# Altium PCB SDR_wt_PCBlib.PcbDoc (part 1 of 2) (continued)
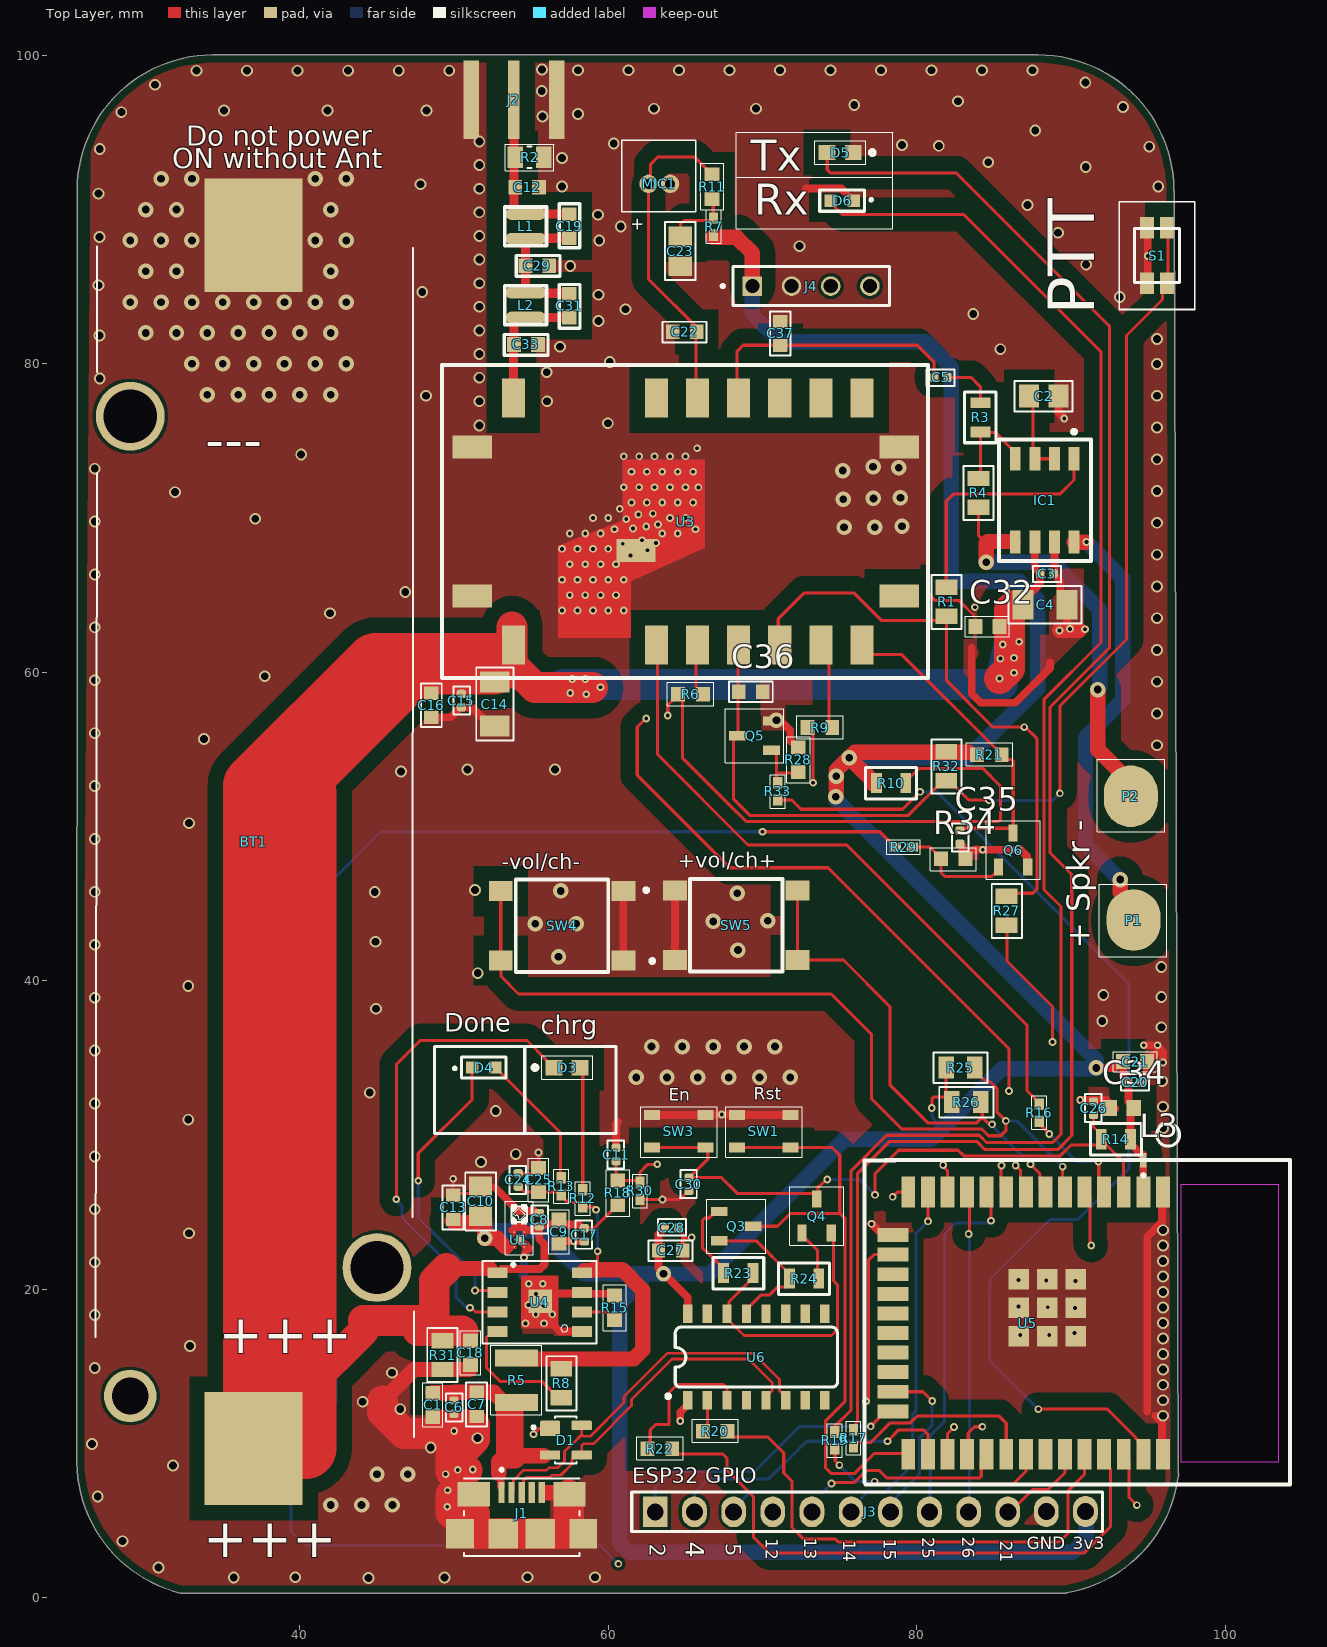
[diagram p0: Top Layer view]
## Footprints (in the part's own frame and the unit in brackets; to place one, negate y for a bottom-side part, rotate by r counter-clockwise, add the part's x,y. Pads: shape width x height; smd on the part's side, far side on the other; paste and mask are expansions set on the pad)
0.35X1.5X4T [mm]
  oval 0.75x2.6 smd: 1(0.452,1.353) 2(2.052,1.353)
  silkscreen extent 0,0 2.5,2.7
"1NF CAP" [mm]
  rect 0.87x0.93 smd: 1(-0.78,-0.025) 2(0.78,-0.025)
  silkscreen extent -1.42,-0.69 1.42,0.66, body extent -0.8,-0.48 0.8,0.42, height 0.81
"1nF CAP" [mm]
  rect 0.87x0.93 smd: 1(-0.78,-0.025) 2(0.78,-0.025)
  silkscreen extent -1.42,-0.69 1.42,0.66, body extent -0.8,-0.48 0.8,0.42, height 0.81
"2U2 CAP 0805" [mm]
  rect 1.3x1.5 smd: 1(-0.95,0) 2(0.95,0)
  silkscreen extent -1.91,-0.99 1.85,0.99, body extent -1,-0.73 1,0.73, height 1.26
"2u2 cap 0805" [mm]
  rect 1.3x1.5 smd: 1(-0.95,0) 2(0.95,0)
  silkscreen extent -1.91,-0.99 1.85,0.99, body extent -1,-0.73 1,0.73, height 1.26
220UF_3V3 [mm]
  rect 1.37x1.91 smd: 1(-1.421,0) 2(1.421,0)
  silkscreen extent -2.36,-1.19 2.36,1.22, body extent -1.6,-0.8 1.6,0.8, height 1.9
0603 [mm]
  rect 1.1x1 smd: 1(-0.85,0) 2(0.85,0)
  silkscreen extent -2.24,-0.76 1.65,0.76, body extent -0.8,-0.4 0.8,0.4, height 0.81
19217BHCZL1M2RY3T [mil]
  rect 31.5x31.5 smd: 1(29.53,0) 2(-29.53,0)
  silkscreen extent -57,-27 76,27, body extent -31,-16 32,16, height 22
BAT_1042 [mm]
  rect 7.35x6.35 smd: NEG(-39.33,0) POS(39.33,0)
  round 4.466 hole 3.45: P$1(-27.6,-8) P$2(27.6,8)
  round 3.406 hole 2.39: P$3(35.93,-8)
  silkscreen extent -38.61,-10.26 38.58,10.39, body extent -43.23,-10.32 43.23,10.33, height 14.87
CAPC1005X55N [mm]
  rrect53% 0.54x0.6 smd: 1(-0.43,0) 2(0.43,0)
  silkscreen extent -0.9,-0.51 0.91,0.57, body extent -0.5,-0.25 0.5,0.3, height 0.51
CAPC1608X90N#1 [mm]
  rect 0.92x0.97 smd: 1(-0.775,0) 2(0.775,0)
  silkscreen extent -1.42,-0.66 1.42,0.66, body extent -0.8,-0.45 0.8,0.45, height 0.81
CAPC1608X90N#2 [mm]
  rect 0.89x0.93 smd: 1(-0.77,0) 2(0.77,0)
CAPC1608X100N [mm]
  rect 0.94x1.02 smd: 1(-0.79,0) 2(0.79,0)
  body extent -0.8,-0.45 0.8,0.45, height 0.75
"ESP32 FOOT" [mm]
  rect 2x0.9 smd: 1(-8.5,8.755) 2(-8.5,7.485) 3(-8.5,6.215) 4(-8.5,4.945) 5(-8.5,3.675) 6(-8.5,2.405) 7(-8.5,1.135) 8(-8.5,-0.135) 9(-8.5,-1.405) 10(-8.5,-2.675) 11(-8.5,-3.945) 12(-8.5,-5.215) 13(-8.5,-6.485) 14(-8.5,-7.755) 25(8.5,-7.755) 26(8.5,-6.485) 27(8.5,-5.215) 28(8.5,-3.945) 29(8.5,-2.675) 30(8.5,-1.405) 31(8.5,-0.135) 32(8.5,1.135) 33(8.5,2.405) 34(8.5,3.675) 35(8.5,4.945) 36(8.5,6.215) 37(8.5,7.485) 38(8.5,8.755)
  rect 0.9x2 smd: 15(-5.715,-8.755) 16(-4.445,-8.755) 17(-3.175,-8.755) 18(-1.905,-8.755) 19(-0.635,-8.755) 20(0.635,-8.755) 21(1.905,-8.755) 22(3.175,-8.755) 23(4.445,-8.755) 24(5.715,-8.755)
  rect 1.33x1.33 smd: 39_1(-2.835,3.09) 39_2(-1,3.09) 39_3(0.835,3.09) 39_4(-2.835,1.255) 39_5(-1,1.255) 39_6(0.835,1.255) 39_7(-2.835,-0.58) 39_8(-1,-0.58) 39_9(0.835,-0.58)
  Keep-Out Layer region: 9,9.945 -9,9.945 -9,16.245 9,16.245
  Keep-Out Layer region: 9,9.945 -9,9.945 -9,16.245 9,16.245
  silkscreen extent -12.96,-10.59 10.46,16.99, body extent -9.06,-9.3 9.01,16.24, height 3.01
GMI4015P2C42DB [mm]
  round 1.192 hole 0.65: 1(0,0) 2(0,1.4)
  silkscreen extent -2.82,-1.73 1.8,3.07, body extent -2.55,-1.3 1.45,2.7, height 1.95
Header_1x12_fml_2.54mm [mm]
  rect 2x1.6 hole 1.1: 1(0,0)
  oval 2x1.6 hole 1.1: 2(0,-2.54) 3(0,-5.08) 4(0,-7.62) 5(0,-10.16) 6(0,-12.7) 7(0,-15.24) 8(0,-17.78) 9(0,-20.32) 10(0,-22.86) 11(0.004,-25.359) 12(0.016,-27.897)
  silkscreen extent -1.27,-28.99 1.27,1.52
HRS_ZX62-B-5PA(33) [mm]
  rect 0.4x1.35 smd: 1(-1.3,2.675) 2(-0.65,2.675) 3(0,2.675) 4(0.65,2.675) 5(1.3,2.675)
  rect 2.1x1.6 smd: SH1(-3.1,2.55) SH6(3.1,2.55)
  rect 1.8x1.9 smd: SH2(-4,0) SH5(4,0)
  rect 1.9x1.9 smd: SH3(-1.2,0) SH4(1.2,0)
  silkscreen extent -3.75,-1.45 3.75,4.25, body extent -4.04,-2.43 4.04,3.17, height 2.81
INDC0603X33N [mm]
  rect 0.38x0.4 smd: 1(-0.281,0) 2(0.281,0)
  silkscreen extent -1.07,-0.1 -0.87,0.1
LINX_CONSMA013.062-G [mm]
  rect 0.76x5.08 smd: 1(0,2.54)
  rect 1x5.08 smd: S1(-2.77,2.54) S2(2.77,2.54)
  rect 1x5.08 smd far side: S3(-2.77,2.54) S4(2.77,2.54)
  body extent -4.61,-12.37 4.63,5.08, height 4.36
NS8002 [mm]
  rect 1.5x0.7 smd: 1(-2.7,1.905) 2(-2.7,0.635) 3(-2.7,-0.635) 4(-2.7,-1.905) 5(2.7,-1.905) 6(2.7,-0.635) 7(2.7,0.635) 8(2.7,1.905)
  silkscreen extent -4.57,-2.97 3.94,3, body extent -2.96,-2.47 3.04,2.43, height 1.65
PAD_SPKR [mm]
  oval 4x3.5 smd: 1(0,0)
  silkscreen extent -2.39,-2.16 2.31,2.21
PTS645(SMT) [mil]
  rect 61.02x51.18 smd: 1(-156.5,88.58) 2(156.5,88.58) 3(-156.5,-88.58) 4(156.5,-88.58)
  silkscreen extent -235,-118 118,118, body extent -177,-118 177,118, height 169
R0805 [mm]
  rect 0.7x1.3 smd: 1(-0.95,0) 2(0.95,0)
  silkscreen extent -1.65,-1.02 1.65,1.02, body extent -1,-0.6 1,0.6, height 0.71
R0805_47K [mm]
  rect 1x1.42 smd: 1(-0.935,0) 2(0.935,0)
  silkscreen extent -1.75,-0.97 1.75,0.99, body extent -1,-0.62 1,0.62, height 0.66
REG_NCP167BMX330TBG [mm]
  rect 0.1x0.1 smd paste-1 mask+0: 1(-0.48,0.325) 2(-0.48,-0.325) 3(0.48,-0.325) 4(0.48,0.325)
  rect 0.52x0.52 smd rot 135 paste-1 mask+0: 5(0,0)
  Top Layer region: 0.6,-0.455 0.21,-0.455 0.21,-0.345 0.36,-0.195 0.6,-0.195
  Top Layer region: -0.21,-0.345 -0.21,-0.455 -0.6,-0.455 -0.6,-0.195 -0.36,-0.195
  Top Layer region: -0.21,0.345 -0.36,0.195 -0.6,0.195 -0.6,0.455 -0.21,0.455
  Top Layer region: 0.6,0.195 0.36,0.195 0.21,0.345 0.21,0.455 0.6,0.455
  silkscreen extent -1.74,-0.92 2.47,0.9, body extent -0.5,-0.5 0.5,0.5, height 0.44
RESC1005X40N [mm]
  rect 0.75x0.6 smd: 1(-0.55,0) 2(0.55,0)
  silkscreen extent -1.09,-0.48 1.09,0.48, body extent -0.5,-0.25 0.5,0.25, height 0.4
"RESC1608X55N 1K2" [mil]
  rect 35.43x37.4 smd: 1(-31.5,0) 2(31.5,0)
  silkscreen extent -59,-29 59,30, body extent -31,-16 32,16, height 22
RESC2012X65N [mm]
  rect 1x1.42 smd: 1(-0.935,0) 2(0.935,0)
  silkscreen extent -0.12,-0.7 0.12,0.7
RESC3126X65N [mm]
  rect 1.1x2.8 smd: 1(-1.45,0) 2(1.45,0)
  silkscreen extent -2.25,-1.62 2.25,1.68, body extent -1.55,-1.3 1.55,1.3, height 0.65
SAMTEC_SL-104-TT-11 [mm]
  rect 1.264x1.264 hole 0.914: 01(0,0)
  round 1.264 hole 0.914: 02(-2.54,0) 03(-5.08,0) 04(-7.62,0)
  silkscreen extent -8.89,-1.27 2.02,1.27
SKRPABE010 [mm]
  rect 1.05x0.65 smd: P$1(0.5,2.4) P$2(3.965,2.4) P$3(0.5,0.3) P$4(3.965,0.3)
  silkscreen extent -0.25,-0.25 4.7,3.05, body extent -0.06,-0.25 4.54,2.95, height 2.44
SKSCLAE010 [mm]
  rect 1.4x0.9 smd: 1(-1.8,-0.65) 2(1.8,-0.65) 3(-1.8,0.65) 4(1.8,0.65)
  silkscreen extent -3.5,-2.45 3.5,2.45, body extent -2.38,-1.42 2.44,2.13, height 1.5
SO016 [mm]
  rect 0.6x1.2 smd: 1(-4.445,-2.8) 2(-3.175,-2.8) 3(-1.905,-2.8) 4(-0.635,-2.8) 5(0.635,-2.8) 6(1.905,-2.8) 7(3.175,-2.8) 8(4.445,-2.8) 9(4.445,2.8) 10(3.175,2.8) 11(1.905,2.8) 12(0.635,2.8) 13(-0.635,2.8) 14(-1.905,2.8) 15(-3.175,2.8) 16(-4.445,2.8)
  silkscreen extent -5.84,-2.67 5.26,1.95, body extent -4.99,-3.06 4.99,3.18, height 1.58
SOT95P240X115-3N [mm]
  rect 1.1x0.6 smd: 1(-1.1,0.95) 2(-1.1,-0.95) 3(1.1,0)
  silkscreen extent -1.9,-1.75 1.9,1.75, body extent -1.2,-1.45 1.2,1.45, height 1.15
SR_FRS_2WUS [mil]
  rect 100x59.05 smd: 1(1095,-132) 2(1095,-27) 3(1095,78) 4(1095,183) 5(1095,288) 6(1095,393) 7(1095,758) 10(465,758) 11(465,393) 12(465,288) 13(465,183) 14(465,78) 15(465,-27) 16(465,-132)
  rect 59.05x100 smd: 8(970,863) 9(590,863) 17(590,-227) 18(970,-227) 19(706,445)
  rect 60x60 smd far side: 20(728,448)
  Top Layer region: 782.78,479.11 937.78,479.11 937.78,269.11 712.78,269.11 627.78,459.11 482.78,459.11 482.78,644.11 717.78,644.11 782.78,479.11
  Bottom Layer region: 782.78,479.11 937.78,479.11 937.78,269.11 712.78,269.11 627.78,459.11 482.78,459.11 482.78,644.11 717.78,644.11 782.78,479.11
  silkscreen extent 380,-300 1180,940, body extent 435,-257 1125,888, height 122
TP4056 [mm] "USB_charger"
  rect 1.3x0.7 smd: 1(-2.75,1.905) 2(-2.75,0.635) 3(-2.75,-0.635) 4(-2.75,-1.905) 5(2.75,-1.905) 6(2.75,-0.635) 7(2.75,0.635) 8(2.75,1.905)
  rect 1.524x1.524 smd: 9(-0.033,-0.053)
  Top Layer region: 1.2,-1.7 -1.2,-1.7 -1.2,1.7 1.2,1.7
  silkscreen extent -3.68,-2.67 3.71,2.67, body extent -3,-2.45 3,2.45, height 1.75
TVS_SOT143 [mm]
  rrect15% 0.99x1.3 smd: 1(-0.76,-1.025)
  rrect15% 0.59x1.3 smd: 2(0.96,-1.025) 3(0.96,1.025) 4(-0.96,1.025)
  silkscreen extent -1.52,-2.2 1.52,0.7, body extent -1.46,-1.18 1.46,1.19, height 1.23

## Part data
BT1: "RF EMI Absorbing Sheet Q-ZorbÂ® Silicone Rubber Non-Conductive, Single Sided 24.000 _609.60mm_ X 24.000 _609.60mm_ X 0.094 _2.40mm_", Package="0402 Laird Technologies", Availability=Unavailable, MF="Laird Technologies", MP=1042, Price=None, SnapEDA_Link=https://www.snapeda.com/parts/1042/Laird%20Technologies%20EMI/view-part/238870/?ref=snap
C1 C18 C21 C25 C32: "10ÂµF Â±10% 10V Ceramic Capacitor X5R 0603 _1608 Metric_", LCSC Part #=C19702, Package="0603 Samsung", Availability=Unavailable, MF=Samsung, MP=CL10A106KP8NNNC, Price=None, SnapEDA_Link=https://www.snapeda.com/parts/CL10A106KP8NNNC/Samsung/view-part/3598152/?ref=snap
C2 C10 C23: library part GRM21BR71A225KA01L, "SMT 0805 ceramic cap X7R 10V 2.2uF", Package=None, Availability=Unavailable, MP=GRM21BR71A225KA01L, Price=None
C3 C5 C6 C15 C17 C20 C24 C26 C28 C30 C35: "0.1ÂµF Â±10% 16V Ceramic Capacitor X7R 0402 _1005 Metric_", LCSC Part #=C1525, Package="0402 Samsung", Availability=Unavailable, MF="Samsung Electro-Mechanics", MP=CL05B104KO5NNNC, Price=None, SnapEDA_Link=https://www.snapeda.com/parts/CL05B104KO5NNNC/Samsung%20Electro-Mechanics/view-part/3598311/?ref=snap
C4 C14: library part 220uf_6v3, "GRM31CR60J227ME11L", Package="3216 Murata", Check_prices=https://www.snapeda.com/parts/GRM31CR60J227ME11L/Murata%20Electronics%20North%20America/view-part/1756709/?ref=eda, Digi-Key_Part_Number=490-13970-1-ND, MF="Murata Electronics", MP=GRM31CR60J227ME11L, Purchase-URL=https://pricing.snapeda.com/search/part/GRM31CR60J227ME11L/?ref=eda, SnapEDA_Link=https://www.snapeda.com/parts/GRM31CR60J227ME11L/Murata%20Electronics%20North%20America/view-part/1756709/?ref=snap
C7 C13 C16 C22 C27 C36 C37: library part "1nF CAP"
C8 C11: library part 100nf, "0.1ÂµF Â±10% 16V Ceramic Capacitor X7R 0402 _1005 Metric_", LCSC Part #=C1525, Package="0402 Samsung", Availability=Unavailable, MF="Samsung Electro-Mechanics", MP=CL05B104KO5NNNC, Price=None, SnapEDA_Link=https://www.snapeda.com/parts/CL05B104KO5NNNC/Samsung%20Electro-Mechanics/view-part/3598311/?ref=snap
C9: library part 10uf, "10ÂµF Â±10% 10V Ceramic Capacitor X5R 0603 _1608 Metric_", LCSC Part #=C19702, Package="0603 Samsung", Availability=Unavailable, MF=Samsung, MP=CL10A106KP8NNNC, Price=None, SnapEDA_Link=https://www.snapeda.com/parts/CL10A106KP8NNNC/Samsung/view-part/3598152/?ref=snap
C12 C19: library part GCM1885C2A2R0BA16D, "SMD Capacitor C0G(EIA) with Capacitance: 2.0pF Tol. 0.1pF. Rated Voltage: 100Vdc", Package=None, Availability=Unavailable, MP=GCM1885C2A2R0BA16D, Price=None
C29: library part GCM1885C2A6R0BA16D, "SMD Capacitor C0G(EIA) with Capacitance: 6.0pF Tol. 0.1pF. Rated Voltage: 100Vdc", Package=None, Availability=Unavailable, MP=GCM1885C2A6R0BA16D, Price=None
C31: library part GCM1885C2A2R5BA16D, "SMD Capacitor C0G(EIA) with Capacitance: 2.5pF Tol. 0.1pF. Rated Voltage: 100Vdc", Package=None, Availability=Unavailable, MP=GCM1885C2A2R5BA16D, Price=None
C33: library part GCM1885C2A4R0BA16D, "SMD Capacitor C0G(EIA) with Capacitance: 4.0pF Tol. 0.1pF. Rated Voltage: 100Vdc", Package=None, Availability=Unavailable, MP=GCM1885C2A4R0BA16D, Price=None
C34: library part CL10A105KP8NNNC, "1ÂµF Â±10% 10V Ceramic Capacitor X5R 0603 _1608 Metric_", Package="0603 Samsung Electro-Mechanics", Availability=Unavailable, MF="Samsung Electro-Mechanics", MP=CL10A105KP8NNNC, Price=None, SnapEDA_Link=https://www.snapeda.com/parts/CL10A105KP8NNNC/Samsung%20Electro-Mechanics/view-part/2784099/?ref=snap
D1: "8.5V Clamp Ipp Tvs Diode Surface Mount SOT-143-4", Package="SOT-143 Littelfuse", Digi-Key_Part_Number=F2715CT-ND, Digi-Key_Purchase_URL=https://www.digikey.com/product-detail/en/littelfuse-inc/SP0503BAHTG/F2715CT-ND/1154322?utm_source=snapeda&utm_medium=aggregator&utm_campaign=symbol, MF="Littelfuse Inc.", MP=SP0503BAHTG, SnapEDA_Link=https://www.snapeda.com/parts/SP0503BAHTG/Littelfuse%20Inc./view-part/214427/?ref=snap
D3 D5: library part "Red LED", "Red 631nm LED Indication - Discrete 2V 0603 _1608 Metric_", Package="0603 Lite-On", Digi-Key_Part_Number=160-1447-1-ND, Digi-Key_Purchase_URL=https://www.digikey.in/product-detail/en/lite-on-inc/LTST-C191KRKT/160-1447-1-ND/386836?utm_source=snapeda&utm_medium=aggregator&utm_campaign=symbol, MF="Lite-On Inc.", MP=LTST-C191KRKT, Parameter 1=C125099, SnapEDA_Link=https://www.snapeda.com/parts/LTST-C191KRKT/Lite-On%20Inc./view-part/234319/?ref=snap
D4 D6: library part Blue_LED, LCSC Part #=C72041, Manufacturer_Name=Everlight, Manufacturer_Part_Number=19-217/BHC-ZL1M2RY/3T, Package=19217BHCZL1M2RY3T, DeviceSetName=19-217_BHC-ZL1M2RY_3T, GateName_1=G$1, Height=0.45mm, LibraryName=19-217_BHC-ZL1M2RY_3T, SymbolName_1=19-217_BHC-ZL1M2RY_3T
IC1: library part LM4871, Manufacturer_Name=HGSEMI, Package=SOIC127P600X165-8N, DeviceSetName=LM4871, GateName_1=G$1, Height=1.65mm, LibraryName=LM4871, Manufacturer_Part_Number=LM4871, SymbolName_1=LM4871
J1: "USB - micro B USB 2.0 Receptacle Connector 5 Position Surface Mount, Right Angle", Package=None, Availability=Unavailable, MF=Hirose, MP=ZX62-B-5PA_33_, Price=None, SnapEDA_Link=https://www.snapeda.com/parts/ZX62-B-5PA%2833%29/Hirose%20Electric%20Co%20Ltd/view-part/524781/?ref=snap
J2: "SMA MALE EDGE MOUNT FOR 0.031\" THICK BOARD", Package=None, Availability=Unavailable, MP=CONSMA013.062-G, Price=None
J3: library part 61301011821, "WURTH ELEKTRONIK - 61301011821 - PCB Receptacle, Board-to-Board, 2.54 mm, 1 Rows, 10 Contacts, Through Hole Straight, WR-PHD Series", Color=Black, Current Rating=3A, Flammability Rating="UL94 V-0", Insulation Resistance=1GR, Manufacturer="Wurth Electronics", Max Operating Temperature=125°C, Min Operating Temperature=-40°C, Package Quantity=320, Supplier Part Number 1=732-2859-ND, Voltage Rating=250V, Category="Headers and Wire Housings", ComponentLink1Description=https://datasheet.ciiva.com/755/6130xx11821-755848.pdf?src-supplier=Digi-Key, ComponentLink1URL=https://datasheet.ciiva.com/755/6130xx11821-755848.pdf?src-supplier=Digi-Key, ComponentLink2Description=https://datasheet.ciiva.com/8043/1320173-8043339.pdf?src-supplier=Element14, ComponentLink2URL=https://datasheet.ciiva.com/8043/1320173-8043339.pdf?src-supplier=Element14, ComponentLink3Description=https://datasheet.ciiva.com/48686/001088188-da-01-en-wr-phd-buchsenleiste-61301011821-48686454.pdf?src-supplier=Conrad, ComponentLink3URL=https://datasheet.ciiva.com/48686/001088188-da-01-en-wr-phd-buchsenleiste-61301011821-48686454.pdf?src-supplier=Conrad, Connector Type=Header,Socket, Contact Gender=Female, Contact Material="Copper Alloy,Copper", Contact Plating=Gold, Gender=Receptacle, Height=8.5mm, Housing Material=PBT, Insulation=Insulated, Lead Free="Lead Free", Length=25.9mm, Manufacturer Part Number=61301011821, Mount="Through Hole", Number of Contacts=10, Number of Positions=10, Number of Rows=1, Packaging=Tray, Pitch=2.54mm, Pricing 1="1=0.65000, 10=0.64100, 50=0.59100, 100=0.54200, 320=0.49300 (USD)", REACH SVHC=Unknown, RoHS=Yes, Stock 1=1388, Supplier 1=Digi-Key, Termination="Through Hole", Width=25.9mm
J4: Package=None, Availability=Unavailable, MP=SL-104-TT-11, Price=None
L3: "FIXED IND 2NH 600MA 150 MOHM SMD", Package=None, Availability=Unavailable, MP=LQP03TN2N0C02D, Price=None
MIC1: library part GMI4015P-2C-42DB, Manufacturer_Name=INGHAi, Manufacturer_Part_Number=GMI4015P-2C-42db, Package=GMI4015P2C42db, DeviceSetName=GMI4015P-2C-42DB, GateName_1=G$1, Height=1.85mm, LibraryName=GMI4015P-2C-42db, SymbolName_1=GMI4015P-2C-42DB
P1 P2: library part spk_pad
Q3 Q4 Q5 Q6: library part SS8050-G, Manufacturer_Name="Comchip Technology", Package=SOT95P240X115-3N, Arrow_Part_Number=SS8050-G, Arrow_Price-Stock=https://www.arrow.com/en/products/ss8050-g/comchip-technology, DeviceSetName=SS8050-G, GateName_1=G$1, Height=1.15mm, LibraryName=SS8050-G, Manufacturer_Part_Number=SS8050-G, Mouser_Part_Number=750-SS8050-G, Mouser_Price-Stock=https://www.mouser.co.uk/ProductDetail/Comchip-Technology/SS8050-G?qs=LLUE9lz1YbcHg%252BWLMAtcrQ%3D%3D, SymbolName_1=SS8050-G
R1 R4 R8 R25 R26 R27 R31 R32: library part CRGCQ0805F47K, "Fixed Resistor CRGCQ 0805 47K 1%", Package=None, Availability=Unavailable, MP=CRGCQ0805F47K, Price=None
R2: library part CRGCQ0805F3K3, "Fixed Resistor CRGCQ 0805 3K3 1%", Package=None, Availability=Unavailable, MP=CRGCQ0805F3K3, Price=None
R3 R10 R14 R23 R24: library part RC0805FR-0710KL, "RES SMD 10K OHM 1% 1/8W 0805", Case Code (Imperial)=0805, Case Code (Metric)=2012, Manufacturer=Yageo, Max Operating Temperature=155°C, Max Power Dissipation=125mW, Min Operating Temperature=-55°C, Package Quantity=1, Resistance=10kR, Resistor Type="Thick Film", Supplier Part Number 1=311-10.0KCRCT-ND, Temperature Coefficient=100ppm/°C, Tolerance=1%, Voltage Rating=150V, Case/Package=0805, Category="Chip SMD Resistors", ComponentLink1Description=https://datasheet.ciiva.com/11808/0900766b8106beab-11808151.pdf?src-supplier=RSComponents, ComponentLink1URL=https://datasheet.ciiva.com/11808/0900766b8106beab-11808151.pdf?src-supplier=RSComponents, ComponentLink2Description=https://datasheet.ciiva.com/12669/rc0805-12669688.pdf?src-supplier=Mouser, ComponentLink2URL=https://datasheet.ciiva.com/12669/rc0805-12669688.pdf?src-supplier=Mouser, ComponentLink3Description=https://datasheet.ciiva.com/46447/444164-46447563.pdf?src-supplier=Element14, ComponentLink3URL=https://datasheet.ciiva.com/46447/444164-46447563.pdf?src-supplier=Element14, ComponentLink4Description=https://datasheet.ciiva.com/2456/pyu-r-int-thick-7-2456972.pdf?src-supplier=Digi-Key, ComponentLink4URL=https://datasheet.ciiva.com/2456/pyu-r-int-thick-7-2456972.pdf?src-supplier=Digi-Key, ComponentLink5Description=https://datasheet.ciiva.com/2456/pyu-r-int-thick-7-2456973.pdf?src-supplier=Digi-Key, ComponentLink5URL=https://datasheet.ciiva.com/2456/pyu-r-int-thick-7-2456973.pdf?src-supplier=Digi-Key, ComponentLink6Description=https://datasheet.ciiva.com/2456/pyu-r-int-thick-7-2456974.pdf?src-supplier=Digi-Key, ComponentLink6URL=https://datasheet.ciiva.com/2456/pyu-r-int-thick-7-2456974.pdf?src-supplier=Digi-Key, ComponentLink7Description=https://datasheet.ciiva.com/16747/rc0805-16747087.pdf?src-supplier=Future+Electronics, ComponentLink7URL=https://datasheet.ciiva.com/16747/rc0805-16747087.pdf?src-supplier=Future+Electronics, Depth=1.25mm, Features="Moisture Resistant", Height=0.024inch, Lead Free="Lead Free", Length=2mm, Manufacturer Part Number=RC0805FR-0710KL, Military Standard=Not, Number of Terminations=2, Packaging="Tape and Reel", Power Rating=125mW, Pricing 1="1=0.10000, 10=0.03600, 100=0.01470, 1000=0.00660, 2500=0.00573 (USD)", REACH SVHC=Unknown, RoHS=Yes, Stock 1=15417266, Supplier 1=Digi-Key, Termination=SMD/SMT, Width=0.049inch
R5: LCSC Part #=C95211, Manufacturer_Name="UNI-ROYAL(Uniroyal Elec)", Manufacturer_Part_Number=1210W2F330LT5E, Package=RESC3126X65N, DeviceSetName=1210W2F330LT5E, GateName_1=G$1, Height=0.65mm, LibraryName=1210W2F330LT5E, SymbolName_1=1210W2F330LT5E
R6 R9 R11 R15 R20 R22: "0603WAF1201T5E", LCSC Part #=C22765, Manufacturer_Name="UNI-ROYAL(Uniroyal Elec)", Package=RESC1608X55N, DeviceSetName=0603WAF1201T5E, GateName_1=G$1, Height=0.55mm, LibraryName=0603WAF1201T5E, Manufacturer_Part_Number=0603WAF1201T5E, SymbolName_1=0603WAF1201T5E
R7 R12 R13 R17 R19: LCSC Part #=C25117, Manufacturer_Name="Uniroyal Elec", Manufacturer_Part_Number=0402WGF4700TCE, Package=RESC1005X40N, DeviceSetName=0402WGF4700TCE, GateName_1=G$1, Height=0.4mm, LibraryName=0402WGF4700TCE, SymbolName_1=0402WGF4700TCE
R16 R29 R30 R33: "AC Series 0402 0.063 W 2 kOhm Â±1% Â±100 ppm/Â°C SMT Thick Film Chip Resistor", LCSC Part #=C144770, Package=None, Availability=Unavailable, MP=AC0402FR-072KL, Price=None
R18 R21 R28 R34: library part 1K2, "0603WAF1201T5E", LCSC Part #=C22765, Manufacturer_Name="UNI-ROYAL(Uniroyal Elec)", Package=RESC1608X55N, DeviceSetName=0603WAF1201T5E, GateName_1=G$1, Height=0.55mm, LibraryName=0603WAF1201T5E, Manufacturer_Part_Number=0603WAF1201T5E, SymbolName_1=0603WAF1201T5E
S1: library part SKSCLAE010, Manufacturer_Name="ALPS Electric", DeviceSetName=SKSCLAE010, GateName_1=G$1, Height=1.4mm, LibraryName=SKSCLAE010, Manufacturer_Part_Number=SKSCLAE010, Mouser_Part_Number=688-SKSCLAE010, Mouser_Price-Stock=https://www.mouser.com/Search/Refine.aspx?Keyword=688-SKSCLAE010, Package=SKSCLAE010, SymbolName_1=SKSCLAE010
SW1 SW3: library part Tactile_PTT_SKRPABE010, "Switch Tactile N.O. SPST Button J-Bend 0.05A 16VDC 1.57N SMD Automotive T/R", Package=None, Availability=Unavailable, MF=ALPS, MP=SKRPABE010, Price=None, SnapEDA_Link=https://www.snapeda.com/parts/SKRPABE010/ALPS/view-part/652544/?ref=snap
SW4 SW5: library part Tactile_PTS645SM43SMTR92LFS, Manufacturer_Name="C & K COMPONENTS", Manufacturer_Part_Number=PTS645SM43SMTR92LFS, Package=PTS645(SMT), Arrow_Part_Number=PTS645SM43SMTR92LFS, Arrow_Price-Stock=https://www.arrow.com/en/products/pts645sm43smtr92lfs/ck, DeviceSetName=PTS645SM43SMTR92LFS, GateName_1=G$1, Height=mm, LibraryName=PTS645SM43SMTR92LFS, Mouser_Part_Number=611-PTS645SM43SMTR92, Mouser_Price-Stock=https://www.mouser.co.uk/ProductDetail/CK/PTS645SM43SMTR92LFS?qs=FESYatJ8odKPktxv6ncfWg%3D%3D, SymbolName_1=PTS645SM43SMTR92LFS
U1: library part NCP167BMX330TBG, "Linear Voltage Regulator IC 1 Output 700mA 4-XDFN _1x1_", Package="XDFN-4 ON Semiconductor", Digi-Key_Part_Number=NCP167BMX300TBGOSCT-ND, Digi-Key_Purchase_URL=https://www.digikey.de/product-detail/en/on-semiconductor/NCP167BMX330TBG/NCP167BMX330TBGOSCT-ND/9749419?utm_source=snapeda&utm_medium=aggregator&utm_campaign=symbol, MF="ON Semiconductor", MP=NCP167BMX300TBG, SnapEDA_Link=https://www.snapeda.com/parts/NCP167BMX330TBG/ON%20Semiconductor/view-part/3624496/?ref=snap
U4: library part TP4056, "Complete single cell Li-Ion battery with a constant current / constant voltage linear charger", LCSC Part #=C16581, Package="Package Analog Devices", Availability=Unavailable, MF="NanJing Top Power ASIC Corp.", MP=TP4056, Price=None, SnapEDA_Link=https://www.snapeda.com/parts/TP4056%20/NanJing%20Top%20Power%20ASIC%20Corp./view-part/2888426/?ref=snap
U5: library part ESP32-WROOM-32, "SMD MODULE, ESP32-WROOM-32, ESP32-D0WDQ6", Case/Package=SMD/SMT, Frequency=2.5GHz, Manufacturer="Espressif Systems", Max Operating Temperature=85°C, Min Operating Temperature=-40°C, Operating Supply Voltage=3.6V, Package Quantity=550, Supplier Part Number 1=1904-1010-1-ND, Category="RF Receivers, Transceivers", ComponentLink1Description=https://datasheet.ciiva.com/70828/esp32-wroom-32-datasheet-en-70828769.pdf?src-supplier=Digi-Key, ComponentLink1URL=https://datasheet.ciiva.com/70828/esp32-wroom-32-datasheet-en-70828769.pdf?src-supplier=Digi-Key, ComponentLink2Description=https://datasheet.ciiva.com/69725/esp32-datasheet-en-69725253.pdf?src-supplier=Digi-Key, ComponentLink2URL=https://datasheet.ciiva.com/69725/esp32-datasheet-en-69725253.pdf?src-supplier=Digi-Key, Data Rate=150Mbps, Manufacturer Part Number=ESP32-WROOM-32, Mount="Surface Mount", Packaging="Cut Tape", Pricing 1="1=3.80000 (USD)", RoHS=No, Sensitivity=-98dBm, Supplier 1=Digi-Key, Weight=0.088185oz
U6: "USB to serial chip CH340", Package=Package, Availability=Unavailable, Check_prices=https://www.snapeda.com/parts/CH340C/WCH/view-part/5428851/?ref=eda, MF=WCH, MP=CH340C, Price=None, SnapEDA_Link=https://www.snapeda.com/parts/CH340C/WCH/view-part/5428851/?ref=snap

## Via types
v1: diameter 0.762, hole 0.508, Top Layer to Bottom Layer, tented both sides, 175 vias
v2: diameter 0.5, hole 0.25, Top Layer to Bottom Layer, tented both sides, 171 vias
v3: diameter 1, hole 0.5, Top Layer to Bottom Layer, tented both sides, 84 vias

## Nets (pads, with @x,y where several pads share a name; then routed paths per layer and width w, separated by ;. In a path a pad name is that pad's centre, name@x,y a point inside that pad or via, vN(x,y) a via of type N, cw(c..) or ccw(c..) an arc to the next point about the centre after c; other vN are vias at no path point)
3V: C10.1 C13.1 C20.1 C21.1 C27.2 C28.1 C34.2 J3.12 J4.01 L3.2 R7.2 R10.1 R14.1 R21.1 R25.2 R26.2 R32.1 U1.1 U6.16 | length 225.1
  Top Layer w0.2: v2(80.975,31.75) 80.975,32.344 81.092,32.461 R26.2@82.047,32.461 ; R25.2@81.899,34.366 81.899,32.609 R26.2@82.047,32.461 ; R26.2@82.677,32.431 82.377,32.131 R26.2@82.047,32.461
  Top Layer w0.5: C28.1@63.68,23.978 63.68,23.948 63.66,23.928 63.63,23.928 63.253,23.551 C27.2@63.253,22.504 63.253,21.354 65.151,19.456 U6.16@65.151,18.396 ; v3(91.643,34.341) 92.88,34.341 93.051,34.512 93.173,34.512 93.383,34.722 C21.1@93.383,34.747 93.396,34.734 93.396,33.763 93.728,33.431 C20.1@93.728,33.401 93.728,32.146 94.084,31.79 C34.2@94.084,31.75 93.864,31.53 93.864,31.119 93.863,31.118 R14.1@93.863,29.718 93.863,29.418 94.59,28.691 L3.2@94.691,28.691
  Top Layer w1: C13.1@49.886,24.417 50.005,24.298 C10.1@51.714,24.298 ; C10.1@51.714,24.755 51.814,24.755 51.964,24.605 51.964,24.505 51.994,24.475 v3(51.994,23.292) 52.795,23.292 53.347,22.74 ; R7.2@66.802,88.198 68.326,88.198 69.342,87.182 J4.01@69.342,85.039 ; v3@74.778,51.943 v3(74.778,53.264) 74.778,53.619 v3(75.616,54.458) ; R10.1@77.14,52.756 77.14,52.959 76.632,53.467 76.606,53.467 v3(75.616,54.458) ; 83.363,54.808 75.967,54.808 v3(75.616,54.458)
  Bottom Layer w0.2: v2(80.975,31.75) 80.975,31.166 81.688,30.453
  Bottom Layer w0.5: 62.154,20.472 62.687,21.006 ; 82.245,66.18 82.538,65.888
  Bottom Layer w1: v3(51.994,23.292) 52.476,23.774 55.626,23.774 58.395,21.006 62.687,21.006 v3(63.576,21.006) ; 62.154,20.472 60.731,19.05 60.731,3.522 61.317,2.936 90.089,2.936 90.99,3.837 J3.12@90.99,5.249 ; v3@63.576,20.98 66.573,20.98 75.311,29.718 80.952,29.718 81.688,30.453 85.535,34.3 91.603,34.3 v3(91.643,34.341) 91.643,34.849 74.752,51.74 v3(74.752,51.918) ; J4.01@69.342,85.039 69.342,83.21 71.12,81.432 80.594,81.432 82.245,79.781 82.245,66.18 ; v3@74.778,51.943 v3(74.778,53.264) 74.778,53.619 v3(75.616,54.458) 83.337,54.458 87.833,58.953 87.833,64.719 86.665,65.888 82.538,65.888
Au_In: C5.2 C37.1 U3.4 | length 16.9
  Top Layer w0.2: U3.4@68.783,78.511 68.351,78.943 68.351,80.823 68.732,81.204 80.035,81.204 81.129,80.11 C5.2@81.129,79.121
Batt: BT1.POS C3.2 C4.2 C8.2 C9.1 C14.1 C15.1 C16.1 C17.2 C18.2 C32.2 IC1.6 R18.2 R31.2 U1.3 U1.4 U3.10 U4.5 | length 203.7
  Top Layer w0.2: C17.2@58.445,23.95 58.465,23.97 59.099,23.97 60.216,25.088 60.254,25.088 R18.2@60.604,25.438
  Top Layer w0.5: U4.5@53,21.057 53.1,21.157 53.1,21.302 55.567,21.302 55.859,21.595 55.859,22.905 55.524,23.24 C8.2@55.524,24.081 55.494,24.081 55.229,23.816 54.684,23.816 54.466,24.033 53.992,24.033 53.774,23.816 ; C8.2@55.63,24.187 56.915,24.187 56.921,24.194 58.088,24.194 58.311,23.97 58.425,23.97 C17.2@58.445,23.95 ; C4.2@86.895,64.389 86.895,64.659 87.993,65.757 87.993,66.376 C3.2@88.013,66.396 88.013,66.426 87.66,66.779 IC1.6@87.66,68.445
  Top Layer w1: 49.508,21.336 U4.5@52.299,21.336
  Top Layer w2: BT1.POS@37,9.67 37,10.17 40.378,13.548 44.127,17.297 ; 44.127,17.958 47.65,17.958 ; 47.65,17.297 48.717,17.297 ; 49.508,21.336 48.717,20.545 48.717,17.297 ; 50.571,17.247 50.521,17.297 48.717,17.297 ; U3.10@53.746,62.941 53.746,60.503 55.245,59.004 58.979,59.004 ; v2(85.369,59.588) 86.004,60.223 86.004,64.059 C4.2@86.258,64.313
  Top Layer w4: BT1.POS@37,10.17 37,52.621 44.933,60.554 52.5,60.554 ; 38.778,51.91 46.711,59.842 ; 40.378,9.687 40.378,13.548 40.378,52.138
  Bottom Layer w2: 57,59.207 85.524,59.207 85.524,59.862 85.626,60.292 85.686,60.548 85.748,60.806 85.764,60.877 85.768,60.893 85.806,61.054 85.96,61.706 ; 57.252,59.004 58.928,59.004 ; 85.961,61.707 85.993,61.844 86.03,62
  other v2: 58.572,58.572 57.531,58.649 59.495,59.029 57.658,59.563 58.496,59.563 86.309,59.969 85.42,60.884 86.309,60.935 85.573,61.798 86.639,61.976
Batt_v: C11.1 R18.1 R30.2 U5.12 | length 25.3
  Top Layer w0.2: C11.1@60.503,28.297 60.503,27.115 60.579,27.038 R18.1@60.604,27.038 61.929,27.038 R30.2@62.052,26.915 62.052,27.584 62.56,28.092 v2(63.17,28.092) ; v2@81.712,28.088 v2(81.712,28.042) 81.712,27.96 81.992,27.68 U5.12@81.992,26.29
  L3 w0.2: v2(63.17,28.092) 63.221,28.042 v2(81.712,28.042)
D_N: D1.4 J1.2 U6.6 | length 25
  Top Layer w0.178: J1.2@53.731,6.815 53.842,6.926 53.842,7.592 54.512,8.262 55.998,8.262 56.148,8.412 56.715,8.412 57.166,8.862 57.166,9.467 57.71,10.012 57.732,10.012 58.277,10.556 ; D1.4@58.277,11.171 58.277,10.556 ; U6.6@71.501,12.796 71.501,13.096 71.29,13.307 71.211,13.307 71.107,13.411 71.107,14.132 69.393,15.846 63.83,15.846 61.018,13.034 61.018,12.642 58.828,10.452 58.381,10.452 58.277,10.556
D_P: D1.3 J1.3 U6.5 | length 23
  Top Layer w0.178: J1.3@54.381,6.815 54.487,6.921 54.487,7.554 54.712,7.779 56.198,7.779 56.348,7.929 56.915,7.929 57.648,8.662 57.648,8.977 57.922,9.251 D1.3@58.277,9.251 58.277,9.865 58.381,9.97 59.028,9.97 61.5,12.442 61.5,12.834 64.135,15.469 69.088,15.469 70.625,13.932 70.625,13.411 70.521,13.307 70.442,13.307 70.231,13.096 U6.5@70.231,12.796
DTR: Q3.2 R24.1 U6.13 | length 9.8
  Top Layer w0.2: Q3.2@67.193,23.129 69.591,23.129 71.745,20.976 R24.1@71.745,20.676 71.745,20.376 71.495,20.126 70.951,20.126 70.434,19.609 69.885,19.609 69.172,18.896 69.161,18.896 68.961,18.696 U6.13@68.961,18.396
EN: C26.1 C30.2 Q4.3 R14.2 SW3.P$1 SW3.P$2 U5.3 | length 43
  Top Layer w0.2: SW3.P$2@62.841,29.185 SW3.P$1@66.306,29.185 ; C30.2@65.227,27.227 C30.2@65.257,27.227 ; SW3.P$1@66.446,29.244 66.446,28.416 C30.2@65.257,27.227 ; Q4.3@73.584,25.89 73.584,26.645 ; Q4.3@73.66,26.013 73.46,26.213 68.351,26.213 67.337,27.227 C30.2@65.257,27.227 ; 73.66,26.645 74.117,27.102 v2(74.197,27.102) ; v2(77.292,26.111) 77.292,27.483 78.816,29.007 82.677,29.007 83.041,28.642 89.302,28.642 90.005,29.346 R14.2@92.305,29.346 ; C26.1@91.465,31.295 91.465,30.516 91.963,30.018 R14.2@91.963,29.718 ; R14.2@92.25,29.7 92.25,29.4 R14.2@92.305,29.346 ; U5.3@93.422,26.29 93.396,26.316 93.396,28.255 R14.2@92.305,29.346
  Bottom Layer w0.2: v2(74.197,27.102) 76.302,27.102 v2(77.292,26.111)